# Altium PCB PCB1.PcbDoc
Units mil, origin at the board's own origin, x right, y up, seen from the top; angles counter-clockwise.
Board outline 3950.03 x 2600.03 mil, 2 copper layers (Top Layer, Bottom Layer); 38 components, 24 nets, 92 pads, 0 vias.
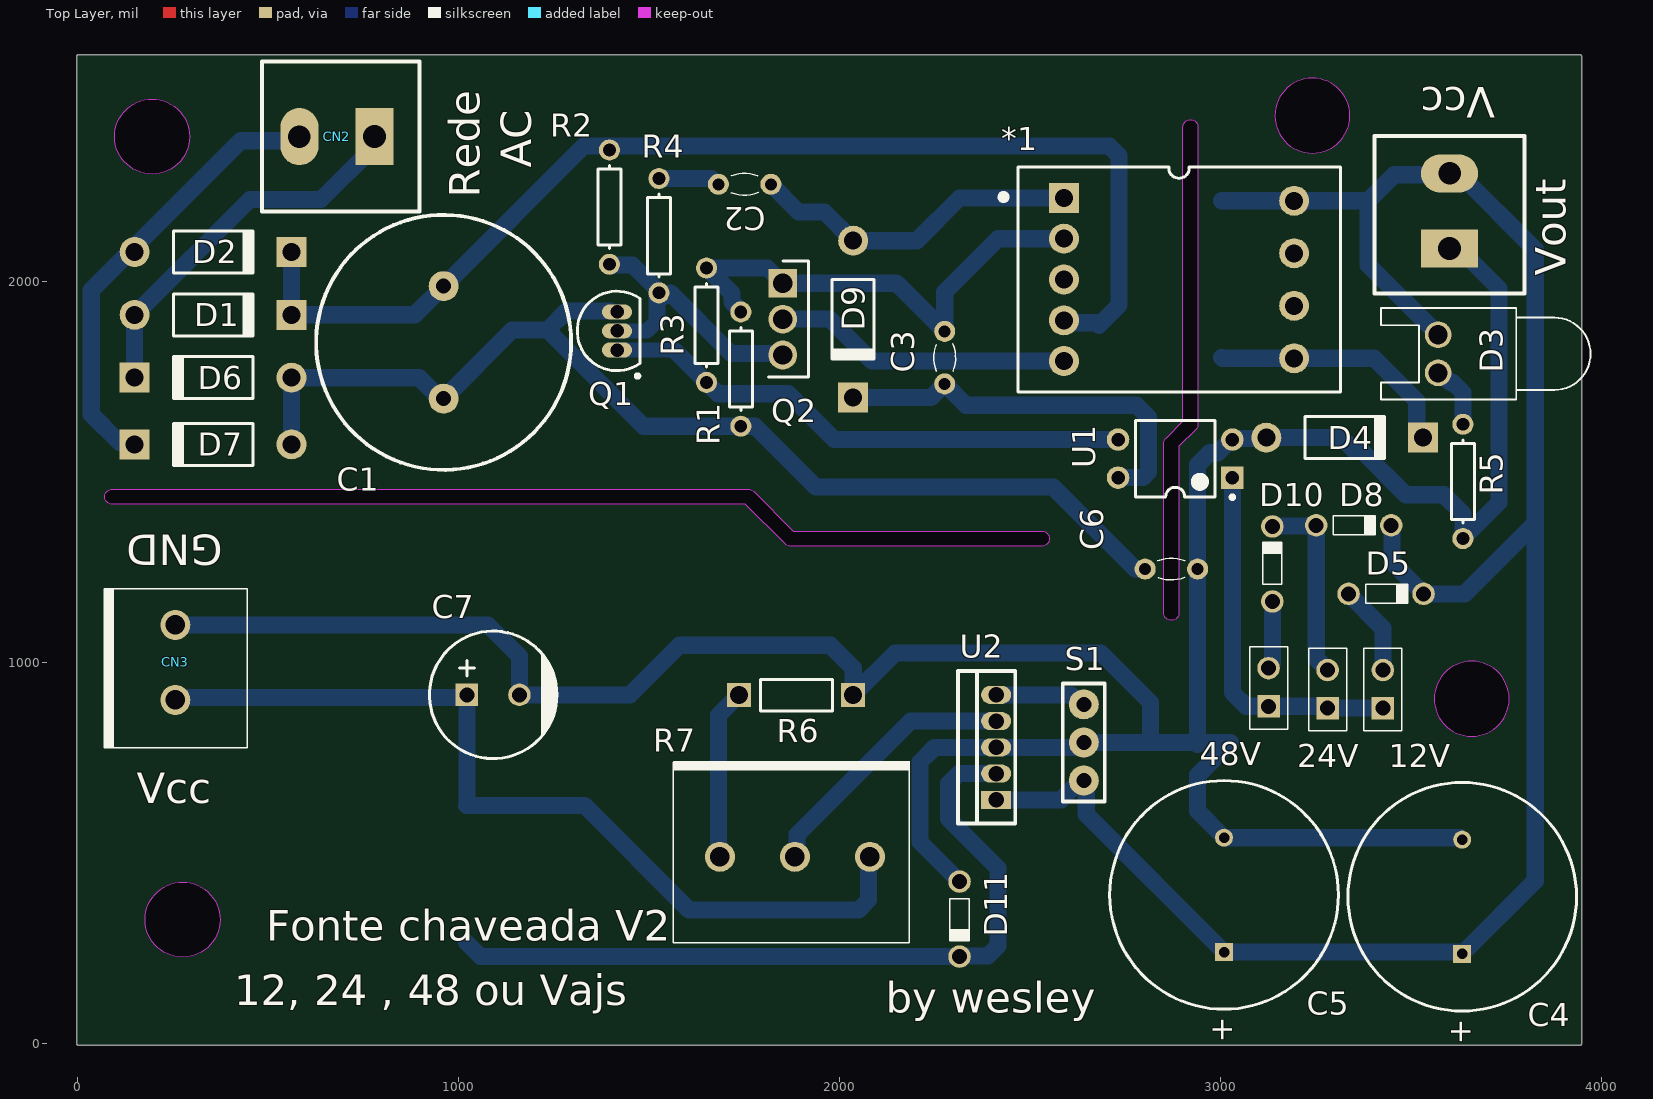
[diagram p0: Top Layer view]
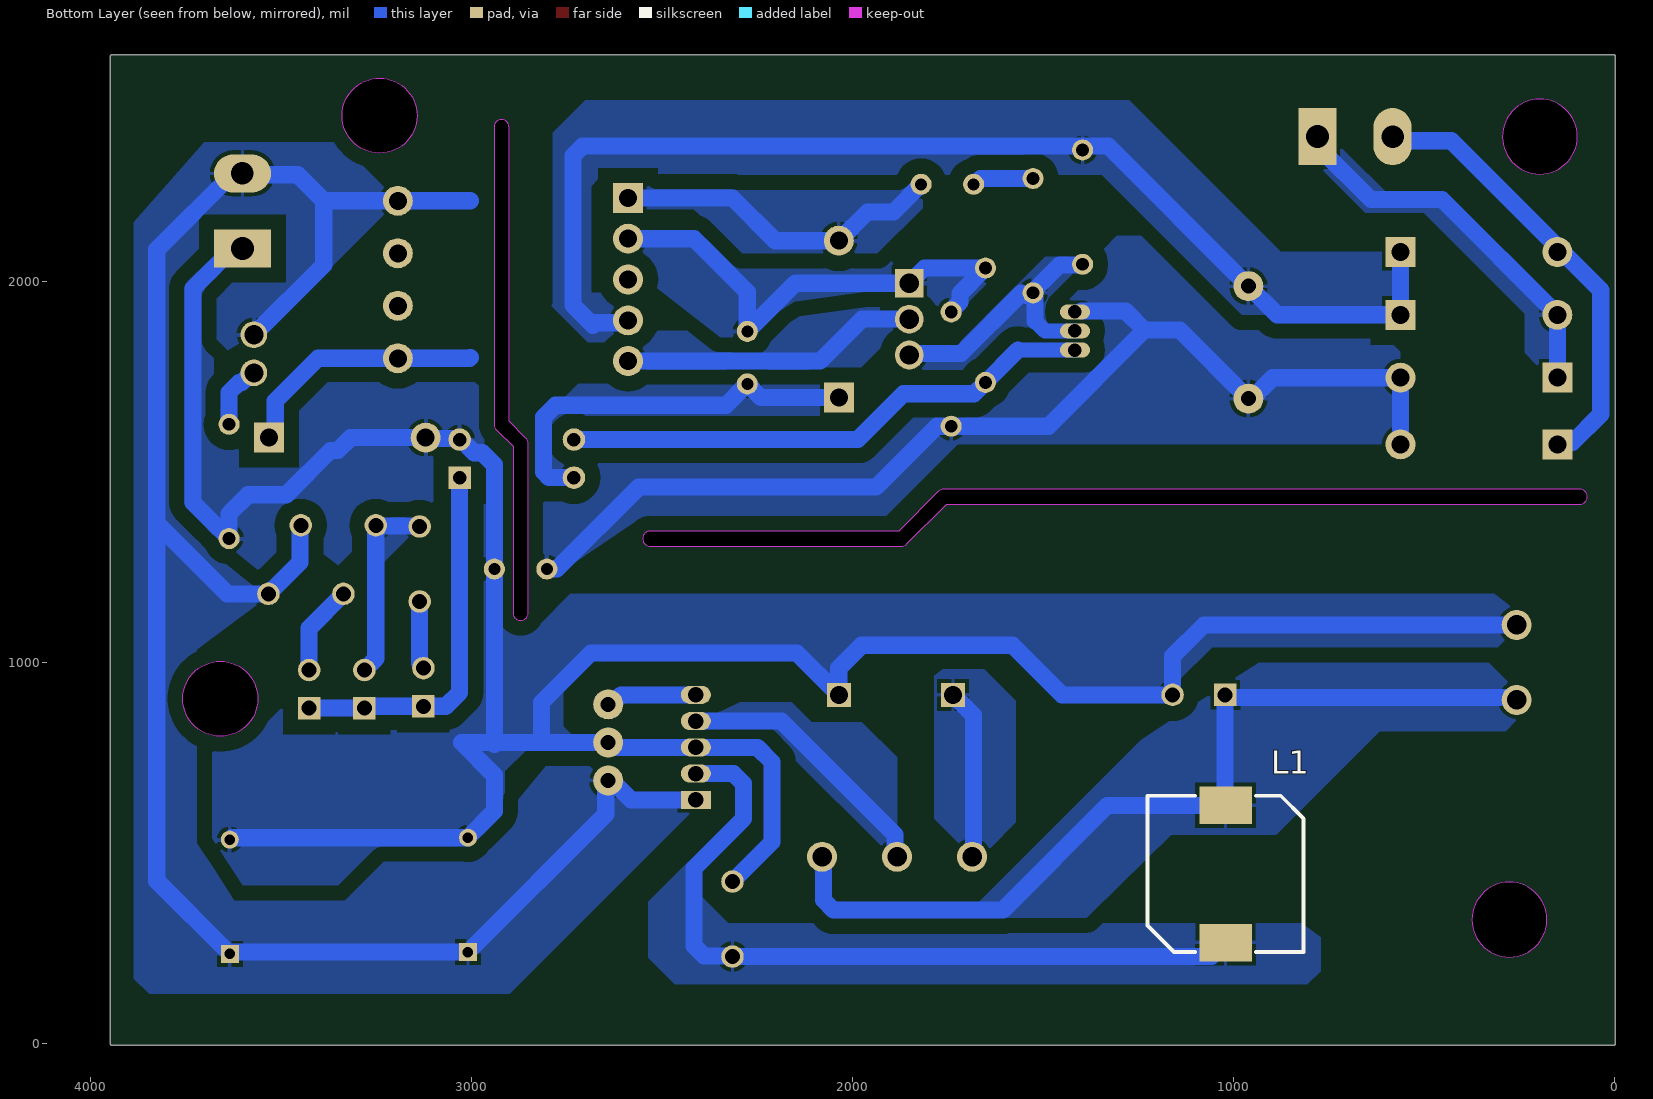
[diagram p1: Bottom Layer view, seen from below]

## Layer stack, top to bottom
Top Solder: solder mask 0.4, Solder Resist, Dk 3.5
Top Layer: signal copper 1.4
Dielectric 1: dielectric 12.6, FR-4, Dk 4.8
Bottom Layer: signal copper 1.4
Bottom Solder: solder mask 0.4, Solder Resist, Dk 3.5

## Board outline
-3.01,0 ccw(c2.01,0) 3.5,-4.79 ccw(c5,0) 5,-5.02 3942.01,-5.02 ccw(c3942.01,0) 3947.02,0 3947.02,0.05 3947.02,2590 ccw(c3942.01,2590) 3942.01,2595.01 2.01,2595.01 ccw(c2.01,2590) -3.01,2590
cut-out: 275,226.57 cw(c275,325) 176.57,325 cw(c275,325) 275,423.43 cw(c275,325) 373.43,325 cw(c275,325)
cut-out: 3559.74,904.68 ccw(c3658.16,904.68) 3658.16,806.26 ccw(c3658.16,904.68) 3756.59,904.68 ccw(c3658.16,904.68) 3658.16,1003.11 ccw(c3658.16,904.68)
cut-out: 90,1415.3 cw(c90,1435) 90,1454.7 1760,1454.7 cw(c1760,1435) 1773.93,1448.93 1773.92,1448.94 cw(c1760,1435) 1773.94,1448.92 1773.92,1448.94 1878.16,1344.7 2530,1344.7 cw(c2530,1325) 2549.7,1325 cw(c2530,1325) 2530,1305.3 1870,1305.3 cw(c1870,1325) 1856.07,1311.07 1856.08,1311.06 cw(c1870,1325) 1856.06,1311.08 1856.08,1311.06 1751.84,1415.3
cut-out: 195,2281.57 cw(c195,2380) 96.57,2380 cw(c195,2380) 195,2478.43 cw(c195,2380) 293.43,2380 cw(c195,2380)
cut-out: 3141.57,2435 ccw(c3240,2435) 3240,2336.57 ccw(c3240,2435) 3338.43,2435 ccw(c3240,2435) 3240,2533.43 ccw(c3240,2435)
cut-out: 2850.3,1130 2850.3,1575 cw(c2870,1575) 2856.07,1588.93 2856.06,1588.92 2900.3,1633.16 2900.3,2405 cw(c2920,2405) 2939.7,2405 2939.7,1625 cw(c2920,1625) 2933.93,1611.07 2933.94,1611.08 cw(c2920,1625) 2933.92,1611.06 2933.94,1611.08 2889.7,1566.84 2889.7,1130 cw(c2870,1130)

## Design rules (kind name [scope] priority, off if disabled: settings)
Clearance [All] p1: gap=10 ignorepadtopadclearanceinfootprint=FALSE except(0: Arc-Hole Track-Hole SMDPad-Hole THPad-Hole Via-Hole Fill-Hole Poly-Hole Region-Hole Text-Hole; 40: Arc-Fill Arc-Poly Arc-Region Track-Fill Track-Poly Track-Region THPad-Fill THPad-Poly THPad-Region Fill-Fill Fill-Poly Fill-Region Poly-Poly Poly-Region Region-Region)
Height [All] p1: minheight=0 maxheight=3000 prefheight=500
PolygonConnect [All] p1: connectstyle=Relief reliefconductorwidth=10 reliefentries=4 polygonreliefangle="90 Angle" airgapwidth=10
RoutingVias [All] p1: holewidth=28 width=50 viastyle="Through Hole" minholewidth=28 minwidth=50 maxholewidth=28 maxwidth=50
SolderMaskExpansion [All] p1: expansion=4
Width [All] p1: maxlimit=50 minlimit=1 preferedwidth=45 toplayer_minwidth=10 minimp=50.000000 maximp=50.000000 favimp=50.000000
29 further rules are at their usual default settings.

## Components (designator, comment, footprint, x,y, rotation, side; value= is the part's Value field where it differs from the comment)
12V "selection key" HEADER_1X2 3425,930 r90 top (schematic designator X1)
24V "selection key" HEADER_1X2 3280,930 r90 top (schematic designator X2)
48V "selection key" HEADER_1X2 3125,935 r90 top (schematic designator X3)
*1 "Tranformer" "DIV_TRAFO PLC" 2890,2005 r0 top
C1 "Electrolytic Capacitor" CAP_ALU_RADIAL_7.5mm 960,1840 r0 top value=22uF
C2 "1n" CAP_CER_RADIAL_3.5MM 1750,2255 r0 top
C3 "10n" CAP_CER_RADIAL_3.5MM 2275,1800 r90 top
C4 "Cap Pol1" RB7.6-15 3633.15,385 r270 top value=1000uF
C5 "Cap Pol1" RB7.6-15 3008.15,390 r270 top value=1000uF
C6 "1n" CAP_CER_RADIAL_3.5MM 2870,1245 r180 top
C7 "6.8UF" RADPOL8X11 1090,915 r0 top
CN2 "Rede AC" MKDSN02 680,2380 r180 top value=MKDS
CN3 "Vaj" CN_KRE_2 255.93,1000 r270 top value=?
D1 "Diode 1N4007" DO-41 355,1912.36 r0 top
D2 "Diode 1N4007" DO-41 355,2077.36 r0 top
D3 "LED0" LED-0 3570,1810 r90 top
D4 "Diode 1N4007" DO-41 3325,1590 r0 top
D5 "12v" DIO_PTH_5MM 3435,1180 r180 top
D6 "Diode 1N4007" DO-41 355,1747.36 r180 top
D7 "Diode 1N4007" DO-41 355,1572.36 r180 top
D8 "12v" DIO_PTH_5MM 3350,1360 r180 top
D9 "Diode 1N4148" DO-41 2035,1900.91 r270 top
D10 "24v" DIO_PTH_5MM 3135,1260 r270 top
D11 "DIODE - SCHOTTKY" DIO_PTH_5MM 2313.9,325 r90 top value=SS12
L1 "5.6UH" Inductor6A 1020,445 r90 bottom
Q1 "NPN" TO-226-AA 1415,1870 r0 top
Q2 "BD135" TO239P266X762X1345-3P 1850,1995 r270 top
R1 "Res1" AXIAL-0.3 1740,1770 r270 top value=10
R2 "Res1" AXIAL-0.3 1395,2195 r90 top value=2M
R3 "Res1" AXIAL-0.3 1650,1885 r90 top value=82
R4 "Res1" AXIAL-0.3 1525,2120 r90 top value=6k8
R5 "Res1" AXIAL-0.3 3635,1475 r90 top
R6 "1k2" RES-7.62mm 1885,915 r180 top
R7 "RPot" CN_KRE_3 1881.85,490 r180 top value=10k
S1 "SW-SPDT" "Pin Header 3 Ways" 2640,690 r90 top
U1 "Optoisolator1" DIP-4 2880,1535 r180 top
U2 "LM2576HV 5.0" LM2576-TO220 2410,777.2 r0 top
Vout "Vout" MKDSN02 3600,2185 r90 top value=MKDS (schematic designator CN1)

## Footprints (in the part's own frame and the unit in brackets; to place one, negate y for a bottom-side part, rotate by r counter-clockwise, add the part's x,y. Pads: shape width x height; smd on the part's side, far side on the other; paste and mask are expansions set on the pad)
AXIAL-0.3 [mm] "Axial Device, Thru-Hole; 2 Leads; 0.3 in Pin Spacing"
  round 1.4 hole 0.85: 1(-3.81,0) 2(3.81,0)
  silkscreen extent -2.77,-0.76 2.77,0.76
CAP_ALU_RADIAL_7.5mm [mm]
  round 2 hole 1: 1(0,3.75) 2(0,-3.75)
  silkscreen extent -8.5,-8.5 8.5,8.5, body extent -8,-8 8,8, height 26
CAP_CER_RADIAL_3.5MM [mm]
  round 1.4 hole 0.8: 1(-1.75,0) 2(1.75,0)
  silkscreen extent -0.9,-0.72 0.92,0.72, body extent -4,-4 4,4, height 14
CN_KRE_2 [mm]
  round 2 hole 1.3: 1(-2.5,0) 2(2.5,0)
  silkscreen extent -4.93,-4.75 5.69,4.8, body extent -4.93,-4.7 5.64,4.8, height 15
CN_KRE_3 [mm]
  round 2 hole 1.3: 1(-5,0) 2(0,0) 3(5,0)
  silkscreen extent -7.67,-6.38 8.1,5.74, body extent -7.53,-5.61 8.04,5.59, height 18
DIO_PTH_5MM [mm]
  round 1.5 hole 1: A(2.54,0) K(-2.46,0)
  silkscreen extent -1.4,-0.64 1.4,0.64
DIP-4 [mm] "DIP; 4 Leads; Row Spacing 7.62 mm; Pitch 2.54 mm"
  rect 1.5x1.5 hole 0.9: 1(-3.81,1.27)
  round 1.5 hole 0.9: 2(-3.81,-1.27) 3(3.81,-1.27) 4(3.81,1.27)
  silkscreen extent -3.94,-2.55 2.65,2.69, body extent -3.15,-2.5 3.15,2.5, height 5.6
"DIV_TRAFO PLC" [mm] "PLC TRANSFORMER EE13 THT TI"
  rect 2x2 hole 1.2: 1(-7.675,5.44)
  round 2 hole 1.2: 2(-7.675,2.72) 3(-7.675,0) 4(-7.675,-2.72) 5(-7.675,-5.44) 6(7.675,-5.25) 7(7.675,-1.75) 8(7.675,1.75) 9(7.675,5.25)
  silkscreen extent -11.9,-7.5 10.75,7.5, body extent -9.75,-6.5 9.75,6.5, height 10.35
DO-41 [mm] "Diode, Axial; Body 5.2 x 2.7 mm (LxDia. max), Lead Dia. 0.86 mm (max)"
  round 2 hole 1.2: 1(-5.23,0)
  rect 2x2 hole 1.2: 2(5.23,0)
  silkscreen extent -2.65,-1.4 2.75,1.4
HEADER_1X2 [mm]
  rect 1.5x1.5 hole 1: 1(-1.27,0)
  round 1.5 hole 1: 2(1.27,0)
  silkscreen extent -2.79,-1.27 2.71,1.27, body extent -2.44,-1.34 2.64,1.2, height 8.5
Inductor6A [mm]
  rect 2.5x3.5 smd: 1(-4.572,0) 2(4.572,0)
  silkscreen extent -5.21,-5.21 5.21,5.21, body extent -4.97,-5.08 5.33,5.12, height 3.9
LED-0 [mil] "LED; 2 Leads"
  round 70 hole 50: 1(50,0) 2(-50,0)
  silkscreen extent -120,-400 120,150
LM2576-TO220 [mm]
  rect 2x1.2 hole 1.03: 1(0,-3.5)
  oval 2x1.2 hole 1.03: 2(0,-1.75) 3(0,0) 4(0,1.75) 5(0,3.5)
  silkscreen extent -2.54,-5.08 1.27,5.08
MKDSN02 [mm]
  rect 2.54x3.81 hole 1.524: 1(-2.5,0)
  oval 2.54x3.81 hole 1.5: 2(2.5,0)
  silkscreen extent -5.5,-5 5,5, body extent -5.74,-4.74 5,4.76, height 15
"Pin Header 3 Ways" [mm] "Connector Header 3 ways PTH 0.100\" (2.54mm)"
  round 2 hole 1: 1(0,0) 2(2.54,0) 3(5.08,0)
  silkscreen extent -1.4,-1.4 6.48,1.4, body extent -1.27,-1.27 6.35,1.27, height 10.11
RADPOL8X11 [mm]
  rect 1.5x1.5 hole 1: 1(-1.75,0)
  round 1.5 hole 1: 2(1.75,0)
  silkscreen extent -4.25,-4.25 4.25,4.25, body extent -4,-3.94 4,4.04, height 3.3
RB7.6-15 [mm] "Polarized Capacitor (Radial); 2 Leads"
  rect 1.2x1.2 hole 0.7: 1(3.81,0)
  round 1.2 hole 0.7: 2(-3.81,0)
  silkscreen extent -7.62,-7.62 7.62,7.62
RES-7.62mm [mm]
  rect 1.6x1.6 hole 1.2: 1(-3.81,0) 2(3.81,0)
  silkscreen extent -2.43,-1.01 2.38,1.09, body extent -4.06,-1.15 4.16,1.25, height 3.2
TO239P266X762X1345-3P [mm]
  rect 1.92x1.92 hole 1.28: 1(0,0)
  round 1.92 hole 1.28: 2(2.39,0) 3(4.78,0)
  silkscreen extent -1.48,-0.95 6.26,1.71, body extent -1.42,-0.95 6.2,1.71, height 12.76
TO-226-AA [mm] "TO, Flat Index; 3 In-Line, Axial Leads; Body Dia. 4.8mm; Leads 0.55 x 0.51 mm (max)"
  oval 2x1 hole 0.9: 1(0,-1.27) 2(0,0) 3(0,1.27)
  silkscreen extent -2.65,-3.13 1.52,2.65, body extent -2.65,-2.66 1.52,2.66, height 5.33

## Part data
12V 24V 48V: library part HEADER_1X2, "1X2"
*1: library part "Tranformer PLC", Supplier Part Number 1=1297-1074-ND, Supplier 1=Digi-Key
C1: library part CAP_ALU_RADIAL_7.5MM, "PTH Radial Electrolytic Capacitor", Tensгo=400V
C2 C3 C6: library part CAP_CER_RADIAL_3.5MM, "PTH Radial Ceramic Capacitor", Tensгo=?
C4 C5: "Polarized Capacitor (Radial)", LatestRevisionDate=17-Jul-2002, LatestRevisionNote="Re-released for DXP Platform.", PackageDescription="Polarized Capacitor (Radial); 2 Leads", PackageReference=RB7.6-15, Published=8-Jun-2000, Publisher="Altium Limited"
C7: library part ELECTRO1_1
CN2 Vout: library part CN_2, "MKDS", Digikey=277-5893-ND
CN3: library part CN_MKDS_2, "MKDS_2"
D1 D2 D4 D6 D7: "1 Amp General Purpose Rectifier", Code_JEDEC=DO-204-AL, ComponentLink1Description="Manufacturer Link", ComponentLink1URL=http://www.fairchildsemi.com/, ComponentLink2Description=Datasheet, ComponentLink2URL=http://www.fairchildsemi.com/ds/1N%2F1N4001.pdf, DatasheetVersion=1998, LatestRevisionDate=17-Jul-2002, LatestRevisionNote="Re-released for DXP Platform.", PackageDescription="Diode, Axial; Body 5.2 x 2.7 mm (LxDia. max), Lead Dia. 0.86 mm (max)", PackageReference=DO-41, PackageVersion=Aug-1999, Published=8-Jun-2000, Publisher="Altium Limited"
D3: "Typical INFRARED GaAs LED", LatestRevisionDate=08-Jul-2005, LatestRevisionNote="Mech Layer 1 removed.", PackageDescription="LED; 2 Leads", PackageReference=LED-0, Published=8-Jun-2000, Publisher="Altium Limited"
D5 D8 D10: library part "D Zener", "Zener Diode", LatestRevisionDate=17-Jul-2002, LatestRevisionNote="Re-released for DXP Platform.", PackageDescription="Diode, Thru-Hole; 2 Leads; 0.7 in Pin Spacing", PackageReference=DIODE-0.7, Published=8-Jun-2000, Publisher="Altium Limited"
D9: library part "Diode 1N4007", "1 Amp General Purpose Rectifier", Code_JEDEC=DO-204-AL, ComponentLink1Description="Manufacturer Link", ComponentLink1URL=http://www.fairchildsemi.com/, ComponentLink2Description=Datasheet, ComponentLink2URL=http://www.fairchildsemi.com/ds/1N%2F1N4001.pdf, DatasheetVersion=1998, LatestRevisionDate=17-Jul-2002, LatestRevisionNote="Re-released for DXP Platform.", PackageDescription="Diode, Axial; Body 5.2 x 2.7 mm (LxDia. max), Lead Dia. 0.86 mm (max)", PackageReference=DO-41, PackageVersion=Aug-1999, Published=8-Jun-2000, Publisher="Altium Limited"
D11: "Schottky Diode", Digikey part number=SS12E-TPMSCT-ND, Digikey price 1x=0.70, Digikey price 100x=0.224
L1: library part IND_1, "FIXED IND 5.6UH 6A 14.4 MOHM SMD", ClassName=REG_3, Digikey=732-4107-1-ND
Q1: "NPN Bipolar Transistor", Code_JEDEC=TO-226-AA, LatestRevisionDate=17-Jul-2002, LatestRevisionNote="Re-released for DXP Platform.", PackageDescription="TO, Flat Index; 3 In-Line, Axial Leads; Body Dia. 4.8mm; Leads 0.55 x 0.51 mm (max)", PackageReference=TO-226-AA, Published=8-Jun-2000, Publisher="Altium Limited"
Q2: "Transistor BJT NPN", Manufacturer_Name="ON Semiconductor", Mouser Part Number=863-BD135, RS Part Number=3489490, Datasheet Link=http://uk.rs-online.com/web/p/products/3489490, Height=2.66mm, Manufacturer_Part_Number=BD135, Mouser Price/Stock=https://www.mouser.com/Search/Refine.aspx?Keyword=863-BD135, RS Price/Stock=http://at.rs-online.com/web/p/products/3489490
R1 R2 R3 R4 R5: "Resistor", LatestRevisionDate=17-Jul-2002, LatestRevisionNote="Re-released for DXP Platform.", PackageDescription="Axial Device, Thru-Hole; 2 Leads; 0.3 in Pin Spacing", PackageReference=AXIAL-0.3, Published=8-Jun-2000, Publisher="Altium Limited"
R6: library part RES_PTH300, "Pin Through Hole Resistor 300mils/7.62mm"
R7: "Potentiometer", LatestRevisionDate=17-Jul-2002, LatestRevisionNote="Re-released for DXP Platform.", PackageDescription="Variable Resistor, Thru-Hole; 3 Leads", PackageReference=VR5, Published=8-Jun-2000, Publisher="Altium Limited", Set Position=0.5, Sim Note="Enter the Resistance value and the set point into parameter fields."
S1: "SPDT Subminiature Toggle Switch, Right Angle Mounting, Vertical Actuation", ComponentLink1Description="Manufacturer Link", ComponentLink1URL=http://www.apem.com, DatasheetVersion=05-Dec-2000, LatestRevisionDate=17-Dec-2003, LatestRevisionNote="Schematic revised, PCB Footprint replaced.", PackageDescription="Switch; 4 Leads", PackageReference=TL36WW15050, Published=24-Mar-1999, Publisher="Altium Limited"
U1: "4-Pin Phototransistor Optocoupler", DatasheetVersion=Nov-2003, LatestRevisionDate=04-Mar-2005, LatestRevisionNote="Sch pins 3 & 4 Swapped.", PackageReference=DIP-4, Published=24-Mar-1999, Publisher="Altium Limited"
U2: library part LM2576

## Nets (pads, with @x,y where several pads share a name; then routed paths per layer and width w, separated by ;. In a path a pad name is that pad's centre, name@x,y a point inside that pad or via, vN(x,y) a via of type N, cw(c..) or ccw(c..) an arc to the next point about the centre after c; other vN are vias at no path point)
GND: C4.2 C5.2 C6.1 C7.2 CN3.1 D4.1 D11.A R5.1 R6.1 S1.2 U1.2 U2.3 Vout.1 | length 7659.2
  Bottom Layer w45: CN3.1 1076.57,1098.43 1158.9,1016.1 C7.2 1448.9,915 1578.9,1045 1975,1045 2035,985 R6.1 2145,1025 2685,1025 2815,895 2815,790 ; D11.A@2313.35,424.45 D11.A 2210,528.9 2210,738.64 2248.57,777.21 U2.3 2618.08,777.21 2630.87,790 S1.2 2815,790 ; 2938.9,785 2938.9,790 ; Vout.1 3625,2086.58 3730,1981.58 3730,1420 R5.1 3635,1390 3585,1440 3485,1440 3369.05,1555.95 3350,1555.95 3315.95,1590 D4.1 3116.59,1587.5 3032.5,1587.5 U1.2 3026.2,1585 2991.69,1550.49 2970.49,1550.49 2938.9,1518.9 C6.1 2938.9,790 ; C4.2 3632.54,535 3627.54,540 C5.2 3008.15,540.61 2938.9,609.86 2938.9,703.9 3025,790 2938.9,790 ; 2815,790 2938.9,790
GND_quente: C1.2 C6.2 D6.1 D7.1 Q1.3 R1.2 | length 2959.1
  Bottom Layer w45: D7.1 D6.1 895.87,1747.36 950.87,1692.36 C1.2 1140,1872.36 1232.36,1872.36 ; Q1.3@1398.13,1922.82 1282.82,1922.82 1232.36,1872.36 ; C6.2 2775,1245 2560,1460 1937.22,1460 1777.22,1620 R1.2 1484.72,1620 1232.36,1872.36
Net*1_2: *1.1 C2.2 D9.1 | length 876.9
  Bottom Layer w45: C2.2 1891.52,2182.38 1959.43,2182.38 D9.1 2201.81,2106.81 2314.17,2219.17 *1.1
Net*1_3: *1.5 Q2.2 | length 783.4
  Bottom Layer w45: Q2.2 1974.09,1900.91 2083.84,1791.16 2587.5,1791.16 *1.5
Net*1_4: *1.2 C3.2 Q2.1 R1.1 R3.2 | length 1327.3
  Bottom Layer w45: R1.1@1734.2,1923.06 1737.26,1920 R1.1 1740,1922.74 1717.22,1945.52 1717.22,1967.78 R3.2 1810,2035 Q2.1 2148.9,1995 C3.2 2275,1972.36 2414.72,2112.09 *1.2
Net*1_7: *1.6 D4.2 | length 662
  Bottom Layer w45: 3002.2,1800 3003.89,1798.31 *1.6 3401.69,1798.31 3514.04,1685.96 3514.04,1606.87 D4.2
Net*1_8: *1.9 C4.1 C5.1 D3.1 D5.K D8.K S1.1 U2.1 Vout.2 | length 5359.3
  Bottom Layer w45: U2.1 2580.28,639.41 2630.87,690 S1.1 2646.46,683.54 2646.46,601.69 C5.1 C4.1@3638.15,240 ; 3002.2,2211.69 *1.9 3386.69,2211.69 ; D8.K 3448.88,1357.97 3448.88,1262.97 D5.K 3640,1180 3825,1365 ; D3.1 3386.69,2043.31 3386.69,2211.69 ; C4.1 C4.1@3638.15,240 ; 3386.69,2211.69 3455,2280 3596.57,2280 Vout.2 3625,2283.43 3825,2083.43 3825,1365 ; C4.1@3638.15,240 3825,426.85 3825,1365
NetC2_1: C2.1 R4.2 | length 163.1
  Bottom Layer w45: R4.2@1525.55,2270.55 R4.2 1663.36,2270 1678.36,2255 C2.1
NetC3_1: C3.1 D9.2 U1.4 | length 1056
  Bottom Layer w45: D9.2 2238.9,1695 C3.1 2331.1,1675 2778.64,1675 2810,1643.64 2810,1500 2795,1485 U1.4
NetC7_1: C7.1 CN3.2 L1.2 R7.1 | length 2364.7
  Bottom Layer w45: CN3.2 262.39,908.03 1014.13,908.03 C7.1 1021.1,626.1 L1.2 1329.69,625 1604.69,350 2048.64,350 2075,376.36 R7.1@2075,500
NetCN2_1: CN2.1 D1.1 D6.2 | length 1002.7
  Bottom Layer w45: D6.2 D1.1 451.73,2215 638.42,2215 778.42,2355 CN2.1
NetCN2_2: CN2.2 D2.1 D7.2 | length 1143.7
  Bottom Layer w45: 109.09,1577.36 35,1651.46 35,1976.69 427.38,2369.07 570.65,2369.07 CN2.2
NetD3_2: D3.2 R5.2 | length 169.9
  Bottom Layer w45: D3.2 3576.76,1760 3601.76,1735 3608.64,1735 3635,1708.64 R5.2
NetD5_1: 12V.2 D5.A | length 237.3
  Bottom Layer w45: D5.A 3425,1090 12V.2
NetD8_1: 24V.2 D8.A D10.K | length 508.7
  Bottom Layer w45: D10.K 3136.57,1358.43 3248.43,1358.43 D8.A 3250,1010 24V.2
NetD10_1: 48V.2 D10.A | length 179.1
  Bottom Layer w45: 48V.2 3125,988.8 3135,998.8 D10.A
NetD11_K: D11.K L1.1 U2.2 | length 2037.3
  Bottom Layer w45: L1.1 1056.85,228.15 D11.K 2315.75,230 2388.64,230 2415,256.36 2415,460 2285,590 2285,681.87 2311.36,708.23 2409.92,708.23 U2.2
NetQ1_1: Q1.1 R3.1 U1.3 | length 1416.1
  Bottom Layer w40: Q1.1 1565,1820
  Bottom Layer w45: 1565,1820 R3.1 1680,1705 1865,1705 1985,1585 U1.3 U1.3@2732.69,1582.31
NetQ1_2: Q1.2 Q2.3 R2.1 R4.1 | length 739.6
  Bottom Layer w40: Q1.2 1493.64,1870 1520,1896.36
  Bottom Layer w45: R2.1 1396.94,2043.06 1455.58,2043.06 R4.1@1520,1978.64 ; 1520,1896.36 1520,1960 R4.1@1520,1978.64 ; R4.1@1538.64,1960 R4.1@1520,1978.64 ; 1555,1970 1714.09,1810.91 1845.91,1810.91 Q2.3
NetR6_2: R6.2 R7.3 | length 437.2
  Bottom Layer w45: R7.3@1681.3,500 1681.3,861.3 R6.2
NetR7_3: R7.2 U2.4 | length 697.6
  Bottom Layer w45: R7.2@1878.15,500 1887.63,509.48 1887.63,547.63 2186.1,846.1 U2.4
NetS1_2: S1.3 U2.5 | length 240.4
  Bottom Layer w45: U2.5 2605.87,915 2630.87,890 S1.3
NetU1_1: 12V.1 24V.1 48V.1 U1.1 | length 975.8
  Bottom Layer w45: U1.1 3030,921.36 3066.36,885 48V.1 3275,885 24V.1 12V.1
VCC_HIGH: *1.4 C1.1 D1.2 D2.2 R2.2 | length 3094.8
  Bottom Layer w45: D2.2 D1.2 884.14,1912.36 959.41,1987.64 C1.1 1327.36,2355 2707.69,2355 2732.69,2330 2732.69,1937.69 2680,1885 2673.54,1891.46 2594.29,1891.46 *1.4
pads on no net: *1.3 *1.7 *1.8

## Polygon pours and split planes (outlines as drawn)
no net on Mechanical 15 (solid): 0,2440
NetD11_K on Bottom Layer "NETD11_K_L02_P164" (solid, remove dead copper, pour order 164): 820,315 2325,315 2420,410 2420,470 2423.13,470 2430,476.87 2535,371.87 2535,225 2465,155 805,155 770,190 770,278.38
NetR7_3 on Bottom Layer "NETR7_3_L02_P162" (solid, remove dead copper, pour order 162): 1881.85,490 1881.85,750.88 2025.97,895 2370,895 2420,845 2362.5,787.5 2192.5,787.5 1890,485
NetR6_2 on Bottom Layer "NETR6_2_L02_P160" (solid, remove dead copper, pour order 160): 1685,490 1660,490 1570,580 1570,900 1570.97,900 1655.97,985 1785,985 1785,590
NetCN2_1 on Bottom Layer "NETCN2_1_L02_P158" (solid, remove dead copper, pour order 158): 160,1745 167.67,1745 235,1812.33 235,1915 500,2180 652.78,2180 795,2322.22 765,2352.22 765,2400 580,2215 440,2215 149.09,1924.09 149.09,1747.36
GND on Bottom Layer "GND_L02_P156" (solid, remove dead copper, pour order 156): 2840,785 2925,700 2925,785 2920,790
NetC7_1 on Bottom Layer "NETC7_1_L02_P041" (solid, remove dead copper, pour order 41): 255.93,901.57 255.93,925.93 335,1005 1033.83,1005 1690,348.83 1595,330 1385,330 1162.37,547.63 887.37,547.63 615,820 285,820 235,870
NetD8_1 on Bottom Layer "NETD8_1_L02_P039" (solid, remove dead copper, pour order 39): 3135,1356.85 3250,1241.85 3265,1317.46 3228.14,1433.82 3170.4,1433.82
GND on Bottom Layer "GND_L02_P038" (solid, remove dead copper, pour order 38): 2768.6,1016.1 2943.9,1191.39 2943.9,925 2933.9,915
GND on Bottom Layer "GND_L02_P036" (solid, remove dead copper, pour order 36): 255,1090 305,1040 1055,1040 1180,915 1455,915 1585,1045 1965,1045 1965,1035 2040,960 2050,970 2105,970 2160,1025 2685,1025 2760,950 2758.19,948.19 2758.19,833.19 2715,790 2933.9,790 2933.9,985.53 2739.43,1180 315,1180 275,1150 240,1130
Net*1_3 on Bottom Layer "NET*1_3_L02_P034" (solid, remove dead copper, pour order 34): 1850,1900.91 2040,1710.91 2040,1710 2520,1710 2595,1785 2390,1990 1850,1990
NetC3_1 on Bottom Layer "NETC3_1_L02_P032" (solid, remove dead copper, pour order 32): 2035,1695 2035,1650 2200,1485 2782.8,1485 2820,1522.2 2810,1532.2 2810,1655 2795,1655 2718.9,1731.1 2071.1,1731.1
GND on Bottom Layer "GND_L02_P030" (solid, remove dead copper, pour order 30): 2965,1470 2911.82,1416.82 2911.82,473.18 3095,290 3705,290 3705,408.98 3845,548.98 3845,1996.79 3655,2186.79 3268.21,1800 2970,1800 2965,1795
Net*1_8 on Bottom Layer "NET*1_8_L02_P028" (solid, remove dead copper, pour order 28): 3546,1180 3550,1160 3724.04,1030.77 3730.63,1329.37
Net*1_8 on Bottom Layer "NET*1_8_L02_P026" (solid, remove dead copper, pour order 26): 3570,1860 3543.86,1860 3192.17,2211.69 3345.47,2365 3700,2365 3885,2155 3885,2100 3885,130 2898.05,130 2388.64,639.41 2399.23,650 2593.71,650 2825,881.29 3331.29,375 3620.93,375 3720,525.93 3720,1770
GND_quente on Bottom Layer "GND_QUENTE_L02_P024" (solid, remove dead copper, pour order 24): 560.91,1572.36 1722.64,1572.36 1931.82,1363.18 2801.1,1245 2851.8,1462.39 2851.8,1900 2412.05,1900 1390,2047.41 1390,2340 805.91,2165 560.91,1920
Net*1_4 on Bottom Layer "NET*1_4_L02_P022" (solid, remove dead copper, pour order 22): 2324.82,1837.21 2152.23,1947.24 1835.85,1990.85 1957.09,2112.09 2678.41,2112.09
no net on Bottom Layer "Bottom Layer-No Net" (solid, pour order 20): 1850,2000
no net on Bottom Layer "Bottom Layer-No Net 1" (solid, pour order 16): 1650,2035
no net on Bottom Layer "Bottom Layer-No Net 2" (solid, pour order 14): 1850,1995
Net*1_2 on Bottom Layer "NET*1_2_L02_P012" (solid, remove dead copper, pour order 12): 1815,2250 1815,2192.36 1933.46,2073.9 2298.9,2073.9 2415,2190 2600,2190 2600,2285 2575,2310 2567.81,2302.81 1815.91,2302.81
no net on Bottom Layer "Bottom Layer-No Net 3" (solid, pour order 10): 1818.9,2255
Net*1_4 on Bottom Layer "NET*1_4_L02_P008" (solid, remove dead copper, pour order 8): 1737.26,1920 1720.53,1920 1640,2000.53 1640,2040 1875,2040 1920,1995
NetQ1_2 on Bottom Layer "NETQ1_2_L02_P006" (solid, remove dead copper, pour order 6): 1395,2045 1484.72,1955.28 1484.72,1878.92 1648.64,1715 1802.2,1715 1845,1810 1845.91,1810.91 1826.81,1830 1715,1830 1715,1843.21 1493.21,2065 1395,2065
VCC_HIGH on Bottom Layer "VCC_HIGH_L02_P004" (solid, remove dead copper, pour order 4): 560.91,2077.36 560.91,1912.36 976.81,1912.36 1344.45,2280 2655,2280 2685,2250 2685,1970 2659.92,1970 2587.83,1897.91 2645.75,1840 2693.9,1840 2790,1936.1 2785,1941.1 2785,2390 2700,2475 1272.64,2475 875,2077.36
no net on Top Overlay (solid): 3135,1356.85

## Other copper
Bottom Layer:
  pour cut-out: 932.61,999.65 1040.35,999.65 1245,795
  pour cut-out: 1245,795
  pour cut-out: 2349.05,869.79 2321.51,897.33 2290,897.33
  pour cut-out: 2227,909.11
  pour cut-out: 2106.5,843.5 2172.1,909.11 2090,909.11
  pour cut-out: 1755,987.5 1800,987.5 1800,954.21
  pour cut-out: 2562.7,1374.3 2533.92,1302.92 2616.84,1220 2791.3,1220
  pour cut-out: 2520,1195
  pour cut-out: 2440,1910.8 2494.2,1910.8 2530,1875 2525,1870 2400,1870
  pour cut-out: 2095,1768.7 1956.27,1768.7 1940.59,1753.02 1948.61,1745 2061.11,1745
  pour cut-out: 540,1808.24 553.24,1808.24 600,1855 550,1855
  pour cut-out: 3407.2,1317.46
  pour cut-out: 3348,1254.69 3348,1255.56 3310,1293.56 3308.02,1291.59 3308.02,1230 3409.41,1230 3405,1234.41 3405,1298.21
  pour cut-out: 3402.44,1240
  pour cut-out: 3543.16,835 3465,913.16 3465,960
  pour cut-out: 2960,1720
  pour cut-out: 2975,1720.89 3064.11,1810 2975,1810 2965,1820
  pour cut-out: 3552.33,1806.76 3626.76,1806.76 3675.13,1855.13 3675.13,1753.46
  pour cut-out: 4035,125
  pour cut-out: 3830,100 3830,115 3905,190 3905,105
  pour cut-out: 2778.64,750
  pour cut-out: 2790,745 2850,745 2900,695 2900,610
  pour cut-out: 1384.68,2039.77 1305,2119.45 1221.32,2119.45 1315,2213.13 1315,2220

## Silkscreen, mask and mechanical layers (free items; w line width, h text height)
Top Overlay:
  text "Vcc" at 3720,2510 h80 r180
  text "AC" at 1190,2298.16 h80 r90
  text "Rede" at 1055,2219.17 h80 r90
  text "GND" at 380,1335 h80 r180
  text "Vcc" at 155,630 h80
  text "Fonte chaveada V2" at 495,270 h80
  text "12, 24 , 48 ou Vajs" at 410.93,100 h80
  text "by wesley" at 2120,80 h80
Mechanical 1:
  lines w39.37: 90,1435 1760,1435 1870,1325 2530,1325 ; 2870,1130 2870,1575 2920,1625 2920,2405
Mechanical 13:
  circle w10: c3660,905 r98.43
  circle w10: c275,325 r98.43
  circle w10: c195,2380 r98.43
  circle w10: c3240,2435 r98.43
  pour cut-out: 275,226.57 cw(c275,325) 176.57,325 cw(c275,325) 275,423.43 cw(c275,325) 373.43,325 cw(c275,325)
  pour cut-out: 2850.3,1130 2850.3,1575 cw(c2870,1575) 2856.07,1588.93 2856.06,1588.92 2900.3,1633.16 2900.3,2405 cw(c2920,2405) 2939.7,2405 2939.7,1625 cw(c2920,1625) 2933.93,1611.07 2933.94,1611.08 cw(c2920,1625) 2933.92,1611.06 2933.94,1611.08 2889.7,1566.84 2889.7,1130 cw(c2870,1130)
  pour cut-out: 2850.3,1130 2850.3,1575 cw(c2870,1575) 2856.07,1588.93 2856.06,1588.92 2900.3,1633.16 2900.3,2405 cw(c2920,2405) 2939.7,2405 2939.7,1625 cw(c2920,1625) 2933.93,1611.07 2933.94,1611.08 cw(c2920,1625) 2933.92,1611.06 2933.94,1611.08 2889.7,1566.84 2889.7,1130 cw(c2870,1130)
  lines w10: 2.01,0 2.01,2590 3942.01,2590 3942.01,0 5,0

## Text inside footprints (layer, text, board x,y; h text height)
C4: Top Overlay "+" at 3604.14,64.85 h59.06 r270
C5: Top Overlay "+" at 2979.14,69.85 h59.06 r270